# Altium PCB ISS_LAB_PCB.PcbDoc (part 4 of 8)
Units mm, origin at the board's own origin, x right, y up, seen from the top; angles counter-clockwise.
Board outline 247.67 x 135.97 mm, 2 copper layers (Top Layer, Bottom Layer); 165 components, 0 nets, 6045 pads, 3214 vias.
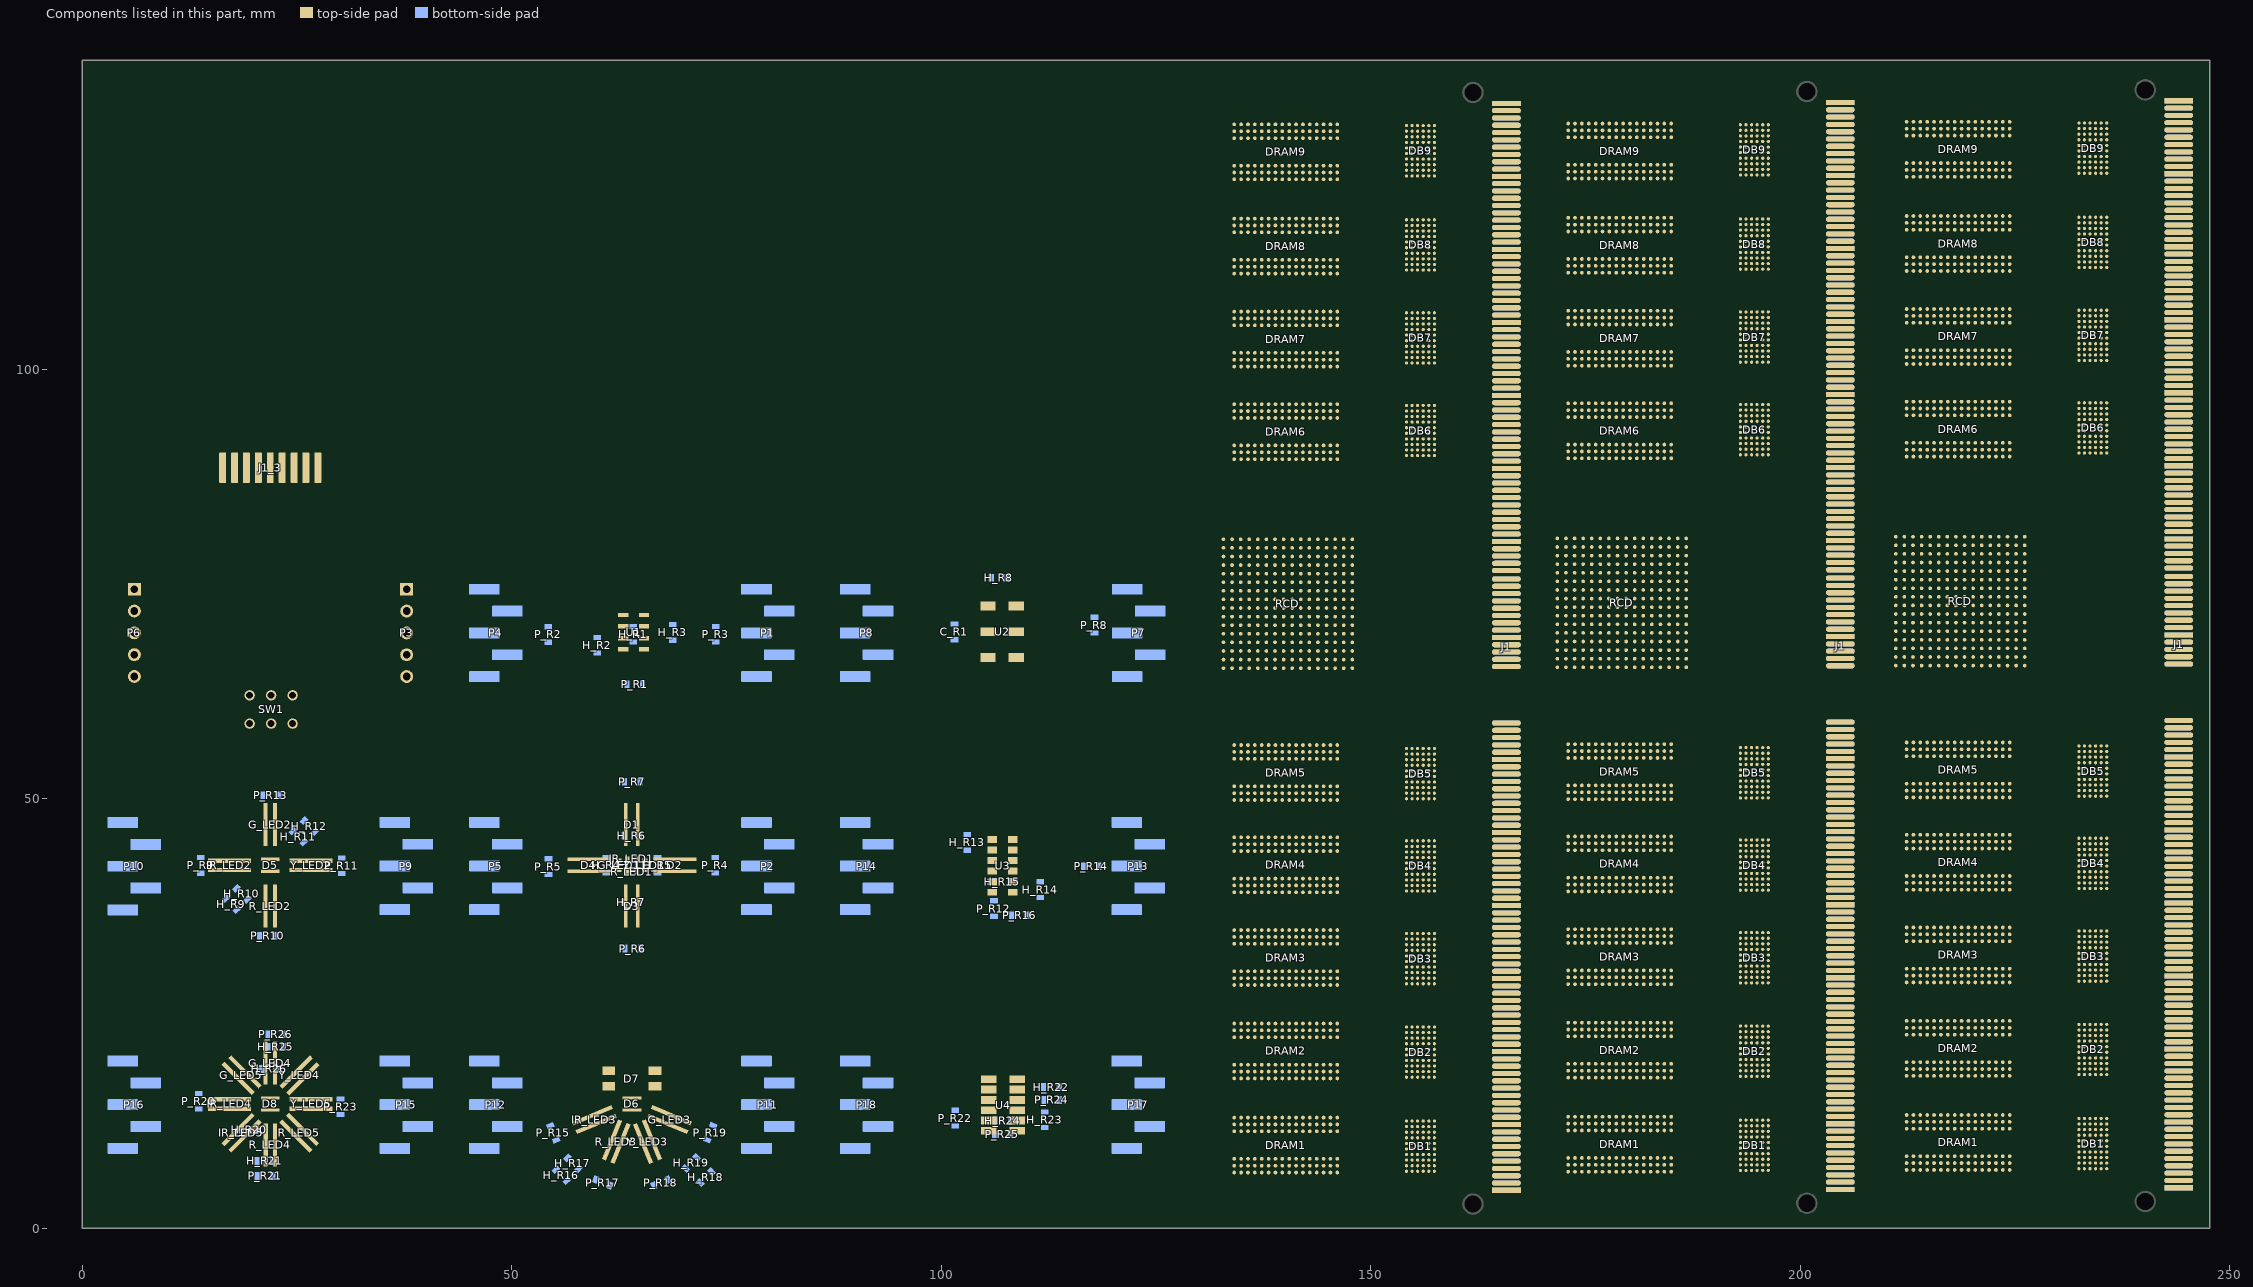
[diagram p4: the components of this part, seen from the top]

## Via types
v1: diameter 0.45, hole 0.203, Top Layer to Bottom Layer, 2685 vias
v2: diameter 1, hole 0.6, Top Layer to Bottom Layer, tented both sides, 414 vias
v3: diameter 0.6, hole 0.3, Top Layer to Bottom Layer, 52 vias
v4: diameter 0.6, hole 0.3, Top Layer to Bottom Layer, tented top, 33 vias
v5: diameter 0.8, hole 0.4, Top Layer to Bottom Layer, 21 vias
v6: diameter 3.5, hole 3.1, Top Layer to Bottom Layer, 3 vias
v7: diameter 2, hole 1.6, Top Layer to Bottom Layer, 3 vias
v8: diameter 1, hole 0.5, Top Layer to Bottom Layer, 3 vias

## Nets (pads, with @x,y where several pads share a name; then routed paths per layer and width w, separated by ;. In a path a pad name is that pad's centre, name@x,y a point inside that pad or via, vN(x,y) a via of type N, cw(c..) or ccw(c..) an arc to the next point about the centre after c; other vN are vias at no path point) (continued)
copper on no net: (continued)
  Top Layer w0.089: 156.765,17.569 156.765,16.937 v1(158.431,15.271) ; 156.765,23.419 156.765,24.299 v1(157.009,24.542) ; 156.765,28.446 156.765,27.834 v1(158.177,26.422) ; 156.765,34.296 157.021,34.552 v1(157.021,35.556) ; 156.765,39.241 156.765,38.705 v1(158.177,37.293) ; 156.765,45.091 156.765,45.171 156.917,45.323 156.917,45.944 156.882,45.98 v1(156.882,46.056) ; 156.765,49.984 156.765,49.373 v1(158.05,48.088) ; 156.765,55.834 156.908,55.977 v1(156.908,56.851) ; 156.765,89.929 156.765,89.226 v1(158.228,87.763) ; 156.765,95.779 156.765,96.308 v1@157.313,96.856 ; 156.765,100.709 156.765,100.629 156.917,100.477 156.917,100.148 v1(158.406,98.66) ; 156.765,106.559 157.186,106.98 v1(157.186,107.55) ; 156.765,111.534 156.765,110.968 v1(158.355,109.378) ; 156.765,117.384 157.136,117.755 v1@157.136,118.548 ; 156.765,122.501 156.765,121.916 v1(158.304,120.377) ; 156.765,128.351 157.491,129.077 v1(157.491,129.343) v1@157.491,129.368 ; 157.415,6.617 159.63,4.402 165.797,4.402 ; 157.415,7.267 157.415,7.256 159.701,4.97 v1(159.701,4.959) ; 157.415,7.917 160.08,5.252 165.797,5.252 ; 157.415,8.567 157.452,8.567 159.663,6.356 v1(159.701,6.356) ; 157.415,9.217 160.53,6.102 165.797,6.102 ; 157.415,9.867 157.437,9.867 159.678,7.626 v1(159.701,7.626) ; 157.415,10.517 160.98,6.952 165.797,6.952 ; 157.415,11.167 159.686,8.896 v1(159.701,8.896) ; 157.415,11.817 158.025,11.817 v1(158.456,11.385) ; 157.415,12.467 v1(157.415,13.544) ; 157.415,17.569 159.532,15.452 165.797,15.452 ; 157.415,18.218 v1(159.726,15.906) ; 157.415,18.869 159.982,16.302 165.797,16.302 ; 157.415,19.519 157.415,19.488 v1(159.726,17.176) ; 157.415,20.169 160.432,17.152 165.797,17.152 ; 157.415,20.819 159.726,18.508 v1(159.726,18.497) ; 157.415,21.469 160.882,18.002 165.797,18.002 ; 157.415,22.119 159.691,19.843 v1(159.701,19.843) ; 157.415,22.769 157.851,22.333 v1(158.431,22.333) ; 157.415,23.419 157.415,24.441 v1(157.542,24.568) ; 157.415,28.446 159.359,26.502 165.797,26.502 ; 157.415,29.096 159.454,27.057 v1(159.498,27.057) ; 157.415,29.746 159.809,27.352 165.797,27.352 ; 157.415,30.396 159.472,28.339 v1(159.472,28.276) ; 157.415,31.046 160.259,28.202 165.797,28.202 ; 157.415,31.696 157.415,31.629 v1(159.422,29.622) ; 157.415,32.346 160.709,29.052 165.797,29.052 ; 157.415,32.996 159.417,30.994 v1(159.422,30.994) ; 157.415,33.646 157.959,33.102 v1(158.482,33.102) ; 157.415,34.296 157.593,34.474 v1(157.593,35.312) ; 157.415,39.241 159.104,37.552 165.797,37.552 ; 157.415,39.891 159.302,38.004 v1(159.345,38.004) ; 157.415,40.541 159.554,38.402 165.797,38.402 ; 157.415,41.191 157.415,41.154 v1(159.396,39.173) ; 157.415,41.841 160.004,39.252 165.797,39.252 ; 157.415,42.491 159.412,40.494 v1(159.422,40.494) ; 157.415,43.141 160.454,40.102 165.797,40.102 ; 157.415,43.791 159.422,41.784 v1(159.422,41.764) ; 157.415,44.441 157.883,43.973 v1(158.482,43.973) ; 157.415,45.091 157.428,45.104 157.428,46.044 v1(157.44,46.056) ; 157.415,49.984 158.797,48.602 165.797,48.602 ; 157.415,50.634 159.021,49.028 v1(159.091,49.028) ; 157.415,51.284 159.247,49.452 165.797,49.452 ; 157.415,51.934 159.117,50.232 v1(159.117,50.222) ; 157.415,52.584 159.697,50.302 165.797,50.302 ; 157.415,53.234 159.081,51.568 v1(159.142,51.568) ; 157.415,53.884 160.147,51.152 165.797,51.152 ; 157.415,54.534 159.111,52.838 v1(159.142,52.838) ; 157.415,55.184 157.831,54.768 v1(158.355,54.768) ; 157.415,55.834 157.502,55.921 v1(157.502,56.813) ; 157.415,89.929 159.751,87.593 165.797,87.593 ; 157.415,91.229 160.201,88.443 165.797,88.443 ; 157.415,91.878 v1(159.472,89.82) ; 157.415,92.529 160.651,89.293 165.797,89.293 ; 157.415,93.179 159.447,91.147 v1(159.447,91.141) ; 157.415,93.829 161.101,90.143 165.797,90.143 ; 157.415,94.479 159.559,92.335 v1(159.574,92.335) ; 157.415,95.129 157.745,94.799 v1(158.38,94.799) ; 157.415,95.779 157.415,96.45 v1(157.847,96.882) ; 157.415,100.709 159.481,98.643 165.797,98.643 ; 157.415,101.359 159.378,99.396 v1@159.422,99.396 ; 157.415,102.009 159.931,99.493 165.797,99.493 ; 157.415,102.659 159.447,100.627 v1(159.447,100.615) ; 157.415,103.309 160.381,100.343 165.797,100.343 ; 157.415,103.959 159.438,101.936 v1(159.447,101.936) ; 157.415,104.609 160.831,101.193 165.797,101.193 ; 157.415,105.259 159.442,103.232 v1(159.472,103.232) ; 157.415,105.909 157.989,105.909 v1(158.38,105.518) ; 157.415,106.559 157.745,106.889 v1(157.745,107.55) ; 157.415,111.534 159.256,109.693 165.797,109.693 ; 157.415,112.184 159.345,110.254 v1(159.345,110.242) ; 157.415,112.834 159.706,110.543 165.797,110.543 ; 157.415,113.484 159.362,111.537 v1(159.371,111.537) ; 157.415,114.134 160.156,111.393 165.797,111.393 ; 157.415,114.784 159.345,112.854 v1(159.345,112.833) ; 157.415,115.434 160.606,112.243 165.797,112.243 ; 157.415,116.084 v1(159.371,114.128) ; 157.415,116.734 157.786,116.363 v1(158.38,116.363) ; 157.415,117.384 157.694,117.663 v1(157.694,118.573) ; 157.415,122.501 159.173,120.743 165.797,120.743 ; 157.415,123.151 159.224,121.342 v1(159.244,121.342) ; 157.415,123.801 159.623,121.593 165.797,121.593 ; 157.415,124.451 159.244,122.622 v1(159.244,122.612) ; 157.415,125.101 160.073,122.443 165.797,122.443 ; 157.415,125.751 159.193,123.973 v1(159.193,123.933) ; 157.415,126.401 160.523,123.293 165.797,123.293 ; 157.415,127.051 157.415,127.006 v1(159.193,125.228) ; 157.415,127.701 158.142,127.701 v1(158.431,127.412) ; 157.415,128.351 158.075,129.011 v1(158.075,129.343) ; 157.444,90.579 157.415,90.579 159.494,88.5 v1(159.498,88.5) ; v1(158.355,107.55) v1@158.355,107.6 ; v1(161.403,124.11) 161.419,124.127 165.781,124.127 165.797,124.143 ; v1(161.479,52.051) 161.503,52.026 165.773,52.026 165.797,52.002 ; v1(161.504,102.063) 161.514,102.053 165.787,102.053 165.797,102.043 ; v1(161.53,113.112) 161.539,113.103 165.787,113.103 165.797,113.093 ; v1(161.758,91.014) 165.776,91.014 165.797,90.993 ; v1(161.86,124.974) 161.87,124.984 165.787,124.984 165.797,124.993 ; v1(161.86,125.838) 161.863,125.84 165.794,125.84 165.797,125.843 ; v1(161.86,40.951) 165.796,40.951 ; v1(161.885,127.539) 161.887,127.541 165.795,127.541 165.797,127.543 ; v1(162.012,102.927) 162.029,102.91 165.78,102.91 165.797,102.893 ; v1(162.012,113.925) 165.779,113.925 165.797,113.943 ; v1(162.038,103.74) 162.04,103.741 165.795,103.741 165.797,103.743 ; v1(162.038,114.789) 162.04,114.791 165.795,114.791 165.797,114.793 ; v1(162.063,29.851) 162.089,29.877 165.771,29.877 165.797,29.902 ; v1(162.063,105.416) 165.77,105.416 165.797,105.443 ; v1(162.063,116.465) 162.077,116.479 165.783,116.479 165.797,116.493 ; v1(162.165,18.827) 162.189,18.852 165.797,18.852 ; v1(162.241,7.753) 162.265,7.778 165.772,7.778 165.797,7.802 ; v1(162.368,91.852) 162.373,91.848 165.792,91.848 165.797,91.843 ; v1(162.368,94.367) 162.381,94.38 165.784,94.38 165.797,94.393 ; v1@162.393,52.863 162.399,52.858 165.791,52.858 165.797,52.852 ; v1(162.393,53.727) 162.406,53.715 165.785,53.715 165.797,53.702 ; v1(162.393,92.741) 162.418,92.717 165.773,92.717 165.797,92.693 ; v1(162.444,55.403) 165.796,55.403 ; v1(162.495,44.354) 162.496,44.353 165.796,44.353 165.797,44.352 ; v1(162.52,41.814) 162.527,41.808 165.791,41.808 165.797,41.802 165.759,41.764 165.594,41.764 ; v1(162.52,42.602) 162.546,42.627 165.772,42.627 165.797,42.652 ; v1(162.622,31.629) 165.77,31.629 165.797,31.602 ; v1(162.622,33.305) 162.625,33.302 165.797,33.302 ; v1(162.647,30.74) 162.653,30.746 165.791,30.746 165.797,30.752 ; v1(162.673,128.403) 162.678,128.398 165.792,128.398 165.797,128.393 ; v1(162.749,117.278) 162.782,117.31 165.764,117.31 165.797,117.343 ; v1(162.774,19.666) 162.793,19.684 165.779,19.684 165.797,19.702 ; v1(162.8,20.478) 165.723,20.478 165.797,20.552 ; v1(162.8,22.256) 162.804,22.252 165.797,22.252 ; v1(162.851,11.182) 162.871,11.202 165.797,11.202 165.787,11.192 ; v1(162.876,8.642) 162.881,8.647 165.792,8.647 165.797,8.652 ; v1(162.876,9.599) 165.7,9.599 165.797,9.502 ; v1(162.876,11.987) 162.876,12.033 162.895,12.052 165.797,12.052 165.791,12.046 ; v1(162.927,56.267) 162.934,56.26 165.79,56.26 165.797,56.252 ; v1(162.952,106.305) 162.958,106.299 165.791,106.299 165.797,106.293 ; v1(163.003,95.256) 163.009,95.25 165.791,95.25 165.797,95.243 ; v1(163.105,45.193) 163.109,45.197 165.792,45.197 165.797,45.202 ; v1(163.232,34.169) 163.24,34.161 165.789,34.161 165.797,34.152 ; v1(163.257,23.069) 163.273,23.086 165.781,23.086 165.797,23.102 ; v1(170.812,79.964) 170.812,79.938 171.447,79.303 171.718,79.303 171.731,79.29 ; v1(170.837,81.056) 170.899,81.056 171.665,80.29 171.731,80.29 ; v1(171.777,81.208) 171.813,81.208 172.731,80.29 ; v1(171.777,94.416) 171.78,94.419 172.985,94.419 ; v1(171.802,105.211) 171.815,105.199 172.985,105.199 ; v1(171.802,116.032) 171.81,116.024 172.985,116.024 ; v1(171.828,127.03) 172.946,127.03 172.985,126.991 ; v1(171.879,11.384) 171.891,11.371 172.985,11.371 ; v1(171.879,22.306) 171.887,22.314 172.976,22.314 172.985,22.323 ; v1(171.879,33.177) 171.89,33.188 172.973,33.188 172.985,33.2 ; v1(171.879,43.997) 171.88,43.996 172.984,43.996 172.985,43.995 ; v1(172.234,79.811) 172.234,79.799 172.731,79.302 172.731,79.29 ; v1(172.285,95.229) 172.295,95.219 172.985,95.219 ; v1(172.285,106.024) 172.31,105.999 172.985,105.999 ; v1(172.285,116.819) 172.29,116.824 172.985,116.824 ; v1@172.286,127.791 172.985,127.791 ; v1(172.336,12.146) 172.348,12.158 172.972,12.158 172.985,12.171 ; v1(172.336,23.118) 172.338,23.121 172.983,23.121 172.985,23.123 ; v1(172.336,33.99) 172.341,33.995 172.98,33.995 172.985,34 ; v1(172.336,44.785) 172.341,44.79 172.98,44.79 172.985,44.795 ; v1(172.844,81.259) 172.844,81.218 173.731,80.331 173.731,80.29 ; v1(172.945,14.152) 173.375,13.723 173.375,12.605 173.785,12.195 173.785,12.171 ; v1@172.945,25.1 173.375,24.67 173.375,23.476 173.728,23.123 173.785,23.123 ; v1@172.971,36.047 173.377,35.641 173.377,34.408 173.785,34 ; v1(172.971,107.98) 172.971,107.904 173.399,107.476 173.399,106.384 173.783,105.999 173.785,105.999 ; v1(172.971,129.798) 172.971,129.646 173.399,129.218 173.399,128.228 173.785,127.841 173.785,127.791 ; 172.985,7.371 171.447,8.909 171.447,16.87 172.9,18.323 172.985,18.323 171.447,19.861 171.447,27.662 172.985,29.2 172.934,29.2 171.482,30.652 171.482,38.492 172.985,39.995 171.472,41.508 171.472,49.225 172.985,50.738 ; 172.985,54.738 172.983,54.74 171.88,54.74 v1(171.879,54.741) 171.879,57.739 178.864,64.724 180.165,64.724 180.731,65.29 ; 172.985,55.538 172.98,55.533 172.34,55.533 v1(172.336,55.529) 172.336,57.789 179.118,64.571 180.769,64.571 181.251,65.054 181.251,65.714 180.731,66.234 180.731,66.29 ; 172.985,122.991 171.32,121.326 171.32,113.689 172.985,112.024 171.406,110.445 171.406,104.095 171.421,104.079 171.421,102.798 172.985,101.235 172.985,101.199 171.421,99.635 171.421,91.983 172.985,90.419 172.961,90.419 172.361,89.819 172.361,88.269 179.295,81.335 179.295,79.964 179.524,79.735 180.261,79.735 180.706,79.29 180.731,79.29 ; v1(172.996,46.893) 172.996,46.41 173.377,46.029 173.377,45.14 173.722,44.795 173.785,44.795 ; v1@172.996,97.21 172.996,97.159 173.399,96.757 173.399,95.614 173.785,95.228 173.785,95.219 ; v1@173.022,118.8 173.371,118.45 173.371,117.257 173.785,116.843 173.785,116.824 ; v1(173.199,79.811) 173.205,79.811 173.726,79.29 173.731,79.29 ; v1(173.377,5.44) 173.377,6.989 173.759,7.371 173.785,7.371 ; v1(173.377,38.054) 173.377,39.552 173.785,39.96 173.785,39.995 ; v1(173.377,43.261) 173.377,43.587 173.785,43.995 ; v1(173.377,93.73) 173.403,93.756 173.403,94.061 173.761,94.419 173.785,94.419 ; v1(173.377,109.961) 173.377,111.612 173.785,112.02 173.785,112.024 ; v1(173.377,120.908) 173.377,122.585 173.783,122.991 173.785,122.991 ; v1(173.403,10.545) 173.785,10.928 173.785,11.371 ; v1(173.403,16.311) 173.403,17.359 173.399,17.363 173.399,17.683 173.403,17.687 173.403,17.988 173.738,18.323 173.785,18.323 ; v1(173.403,21.569) 173.403,21.941 173.785,22.323 ; v1(173.403,27.106) 173.403,28.236 173.399,28.24 173.399,28.56 173.403,28.564 173.403,28.818 173.785,29.2 ; v1(173.403,32.339) 173.403,32.897 173.705,33.2 173.785,33.2 ; v1@173.403,48.772 173.403,49.774 173.399,49.778 173.399,50.098 173.403,50.102 173.403,50.347 173.785,50.73 173.785,50.738 173.785,50.752 ; v1(173.403,54.106) 173.428,54.132 173.428,54.437 173.729,54.738 173.785,54.738 ; v1@173.403,99.141 v1(173.403,99.217) 173.403,100.235 173.399,100.239 173.399,100.559 173.403,100.563 173.403,100.792 173.785,101.174 173.785,101.199 ; v1(173.403,104.525) 173.403,104.83 173.771,105.199 173.785,105.199 ; v1(173.403,115.27) 173.403,115.676 173.751,116.024 173.785,116.024 ; v1(173.403,126.369) 173.504,126.369 173.758,126.623 173.758,126.964 173.785,126.991 ; 173.731,65.29 173.731,63.985 170.507,60.761 170.507,53.918 171.817,52.608 174.012,52.608 174.165,52.455 174.165,51.158 174.585,50.738 175.003,50.32 175.003,50.102 174.999,50.098 174.999,49.778 175.003,49.774 v1@175.003,48.823 ; 173.731,66.29 174.215,65.806 174.215,64.114 170.659,60.558 170.659,53.981 171.88,52.76 174.114,52.76 174.585,52.289 v1@174.585,52.252 ; v1@173.733,25.1 173.733,25.049 174.19,24.592 174.19,23.449 174.516,23.123 174.585,23.123 ; v1(173.733,46.893) 173.733,46.766 174.199,46.3 174.199,45.182 174.585,44.796 ; v1(173.733,107.98) 174.19,107.523 174.19,106.43 174.585,106.035 174.585,105.999 ; v1@173.758,97.236 173.758,97.185 174.19,96.753 174.19,95.61 174.581,95.219 174.585,95.219 ; 173.784,8.172 v1@173.784,8.919 ; v1(173.784,14.152) 174.19,13.746 174.19,12.603 174.585,12.208 174.585,12.171 ; 173.784,19.124 v1@173.784,19.892 ; 173.784,30.001 v1@173.784,30.839 ; v1(173.784,36.072) 174.171,35.685 174.171,34.338 174.51,34 174.585,34 ; v1(173.784,41.508) 173.784,40.796 173.785,40.795 ; v1(173.784,91.927) 173.785,91.926 173.785,91.219 ; v1(173.784,113.619) 173.785,113.617 173.785,112.824 ; v1(173.784,118.826) 174.19,118.419 174.19,117.251 174.585,116.856 174.585,116.824 ; v1@173.784,124.617 173.785,124.615 173.785,123.791 ; v1@173.784,129.773 173.784,129.697 174.19,129.29 174.19,128.224 174.585,127.829 174.585,127.791 ; 173.785,55.538 173.774,55.538 173.399,55.914 173.399,57.133 v1(172.945,57.586) 176.622,61.263 178.425,61.263 182.267,65.105 182.267,65.663 181.731,66.2 181.731,66.29 ; 173.785,90.419 173.749,90.419 173.428,90.098 173.428,89.809 173.399,89.779 173.399,89.459 173.428,89.429 v1(173.428,88.422) 173.428,88.396 180.175,81.649 180.175,80.176 180.505,79.846 181.175,79.846 181.731,79.29 ; 173.785,101.999 173.785,102.723 v1(173.809,102.747) ; v1@174.165,32.364 174.19,32.389 174.19,32.821 174.569,33.2 174.585,33.2 ; v1@174.165,48.798 174.165,49.534 174.568,49.938 174.585,49.938 ; v1@174.165,54.132 174.165,54.335 174.568,54.738 174.585,54.738 ; v1@174.165,109.986 174.165,110.799 174.585,111.22 174.585,111.224 ; v1@174.165,120.934 174.165,121.721 174.585,122.142 174.585,122.191 ; v1(174.19,5.44) 174.19,6.1 174.585,6.495 174.585,6.571 ; v1(174.19,10.545) 174.19,10.596 174.571,10.977 174.571,11.357 174.585,11.371 ; v1(174.19,16.311) 174.165,16.337 174.165,17.048 174.585,17.468 174.585,17.523 ; v1@174.19,21.594 174.19,21.899 174.585,22.294 174.585,22.323 ; v1(174.19,27.106) 174.19,28.005 174.585,28.4 ; v1@174.19,38.079 174.19,38.816 174.569,39.195 174.585,39.195 ; v1@174.19,43.286 174.215,43.311 174.215,43.642 174.569,43.995 174.585,43.995 ; v1@174.19,99.141 v1(174.19,99.217) 174.19,99.953 174.585,100.348 174.585,100.399 ; v1@174.19,104.551 174.19,104.83 174.559,105.199 174.585,105.199 ; v1@174.215,88.447 174.215,89.158 174.585,89.528 174.585,89.619 ; v1@174.215,93.756 174.215,94.061 174.574,94.419 174.585,94.419 ; v1@174.215,115.295 174.215,115.676 174.563,116.024 174.585,116.024 ; v1(174.215,126.369) 174.266,126.42 174.266,126.623 174.585,126.942 174.585,126.991 ; v1(174.266,79.799) 174.266,79.777 174.731,79.312 174.731,79.29 ; v1(174.546,36.072) 174.585,36.033 174.585,34.8 ; v1(174.546,46.893) 174.585,46.853 174.585,45.595 ; v1@174.571,25.1 174.585,25.086 174.585,23.923 ; v1(174.571,41.508) 174.585,41.494 174.585,40.795 ; v1@174.571,97.236 174.585,97.222 174.585,96.019 ; v1(174.571,102.747) 174.585,102.733 174.585,101.999 ; v1(174.571,107.98) 174.585,107.966 174.585,106.799 ; v1@174.571,118.8 174.585,118.786 174.585,117.624 ; v1(174.571,124.566) 174.585,124.552 174.585,123.791 ; v1@174.571,129.773 174.578,129.766 174.578,128.598 174.585,128.591 ; 174.585,7.371 174.585,7.306 175.003,6.888 175.003,6.735 174.999,6.731 174.999,6.411 175.003,6.407 v1(175.003,5.44) ; 174.585,8.171 174.591,8.177 174.591,8.914 v1(174.596,8.92) ; 174.585,12.971 174.591,12.977 174.591,14.147 v1(174.596,14.152) ; 174.585,18.323 174.585,18.253 175.003,17.835 175.003,17.687 174.999,17.683 174.999,17.363 175.003,17.359 v1(175.003,16.311) ; 174.585,19.123 174.591,19.129 174.591,19.887 v1(174.596,19.893) ; 174.585,29.2 175.003,28.783 175.003,28.564 174.999,28.56 174.999,28.24 175.003,28.236 v1(175.003,27.106) ; 174.585,30 174.591,30.006 174.591,30.834 v1(174.596,30.84) ; 174.585,39.995 174.977,39.603 v1@174.977,38.079 ; 174.585,51.538 174.585,52.215 v1(174.622,52.252) ; 174.585,55.538 174.585,55.566 174.19,55.961 174.19,57.154 173.784,57.561 v1(173.784,57.586) 177.238,61.041 179.372,61.041 183.131,64.8 183.131,65.89 182.731,66.29 ; 174.585,56.338 174.585,57.549 v1@174.596,57.561 ; 174.585,90.419 174.585,90.389 175.003,89.971 175.003,89.783 174.999,89.779 174.999,89.459 175.003,89.455 v1(175.003,88.422) 175.003,87.279 180.54,81.742 180.54,80.853 180.692,80.7 181.175,80.7 181.327,80.548 181.327,80.141 181.683,79.786 182.216,79.786 182.712,79.29 182.731,79.29 ; 174.585,91.219 174.596,91.23 v1(174.596,91.927) ; 174.585,101.199 174.585,101.133 174.977,100.741 v1(174.977,99.217) v1@174.977,99.141 ; 174.585,112.024 174.585,112.004 174.977,111.612 v1@174.977,110.012 ; 174.585,112.824 174.585,113.607 v1(174.596,113.619) ; 174.585,122.991 174.597,122.991 174.977,122.61 174.977,121.01 v1@175.003,120.985 ; 174.731,65.29 174.731,64.376 170.812,60.456 170.812,54.044 171.943,52.913 174.339,52.913 174.977,52.274 174.977,51.211 175.385,50.803 175.385,50.738 175.79,50.333 v1@175.79,48.747 ; 174.731,66.29 175.155,65.866 175.155,64.495 170.964,60.304 170.964,54.107 172.006,53.065 174.571,53.065 v1(175.384,52.252) 175.385,52.251 175.385,51.538 ; 174.731,80.29 175.333,80.892 v1(175.333,81.208) ; v1@174.952,32.389 174.977,32.415 174.977,32.821 175.356,33.2 175.385,33.2 ; v1@174.977,93.756 174.977,94.061 175.336,94.419 175.385,94.419 ; v1@174.977,126.446 175.003,126.471 175.003,126.7 175.294,126.991 175.385,126.991 ; v1(175.003,10.545) 175.385,10.928 175.385,11.371 ; v1@175.003,21.594 175.003,21.941 175.385,22.323 ; v1@175.003,43.311 175.003,43.667 175.331,43.995 175.385,43.995 ; v1@175.003,104.551 175.003,104.881 175.321,105.199 175.385,105.199 ; v1@175.054,115.32 175.028,115.346 175.028,115.752 175.3,116.024 175.385,116.024 ; v1(175.181,79.811) 175.195,79.811 175.716,79.29 175.731,79.29 ; v1(175.333,36.072) 175.333,35.895 174.975,35.537 174.975,34.424 175.385,34.014 175.385,34 ; v1(175.358,8.92) 175.372,8.907 175.372,8.184 175.385,8.171 ; v1(175.358,14.152) 174.999,13.792 174.999,12.582 175.385,12.195 175.385,12.171 ; v1(175.358,19.893) 175.372,19.879 175.372,19.136 175.385,19.123 ; v1(175.358,30.865) 175.372,30.852 175.372,30.013 175.385,30 ; v1(175.358,46.893) 175.358,46.69 174.999,46.33 174.999,45.119 175.323,44.795 175.385,44.795 ; v1@175.358,97.236 174.971,96.849 174.971,95.667 175.385,95.253 175.385,95.219 ; v1(175.384,25.125) 174.975,24.716 174.975,23.553 175.385,23.143 175.385,23.123 ; v1@175.384,41.483 175.384,40.796 175.385,40.795 ; v1@175.384,57.535 174.999,57.15 174.999,55.939 175.385,55.553 175.385,55.538 ; v1(175.384,57.586) 178.635,60.837 180.515,60.837 184.175,64.498 184.175,65.846 183.731,66.29 ; v1(175.384,91.902) 175.385,91.9 175.385,91.219 ; v1@175.384,102.722 175.385,102.721 175.385,101.999 ; v1@175.384,107.954 175.384,107.929 174.999,107.544 174.999,106.384 175.383,105.999 175.385,105.999 ; v1(175.384,113.619) 175.385,113.617 175.385,112.824 ; v1@175.384,118.8 174.977,118.394 174.977,117.276 175.385,116.869 175.385,116.824 ; v1@175.384,124.591 175.385,124.59 175.385,123.791 ; 175.385,7.371 175.385,7.293 175.79,6.888 175.79,5.465 v1(175.816,5.44) ;